# Altium PCB PCB1.PcbDoc (part 1 of 9) (continued)
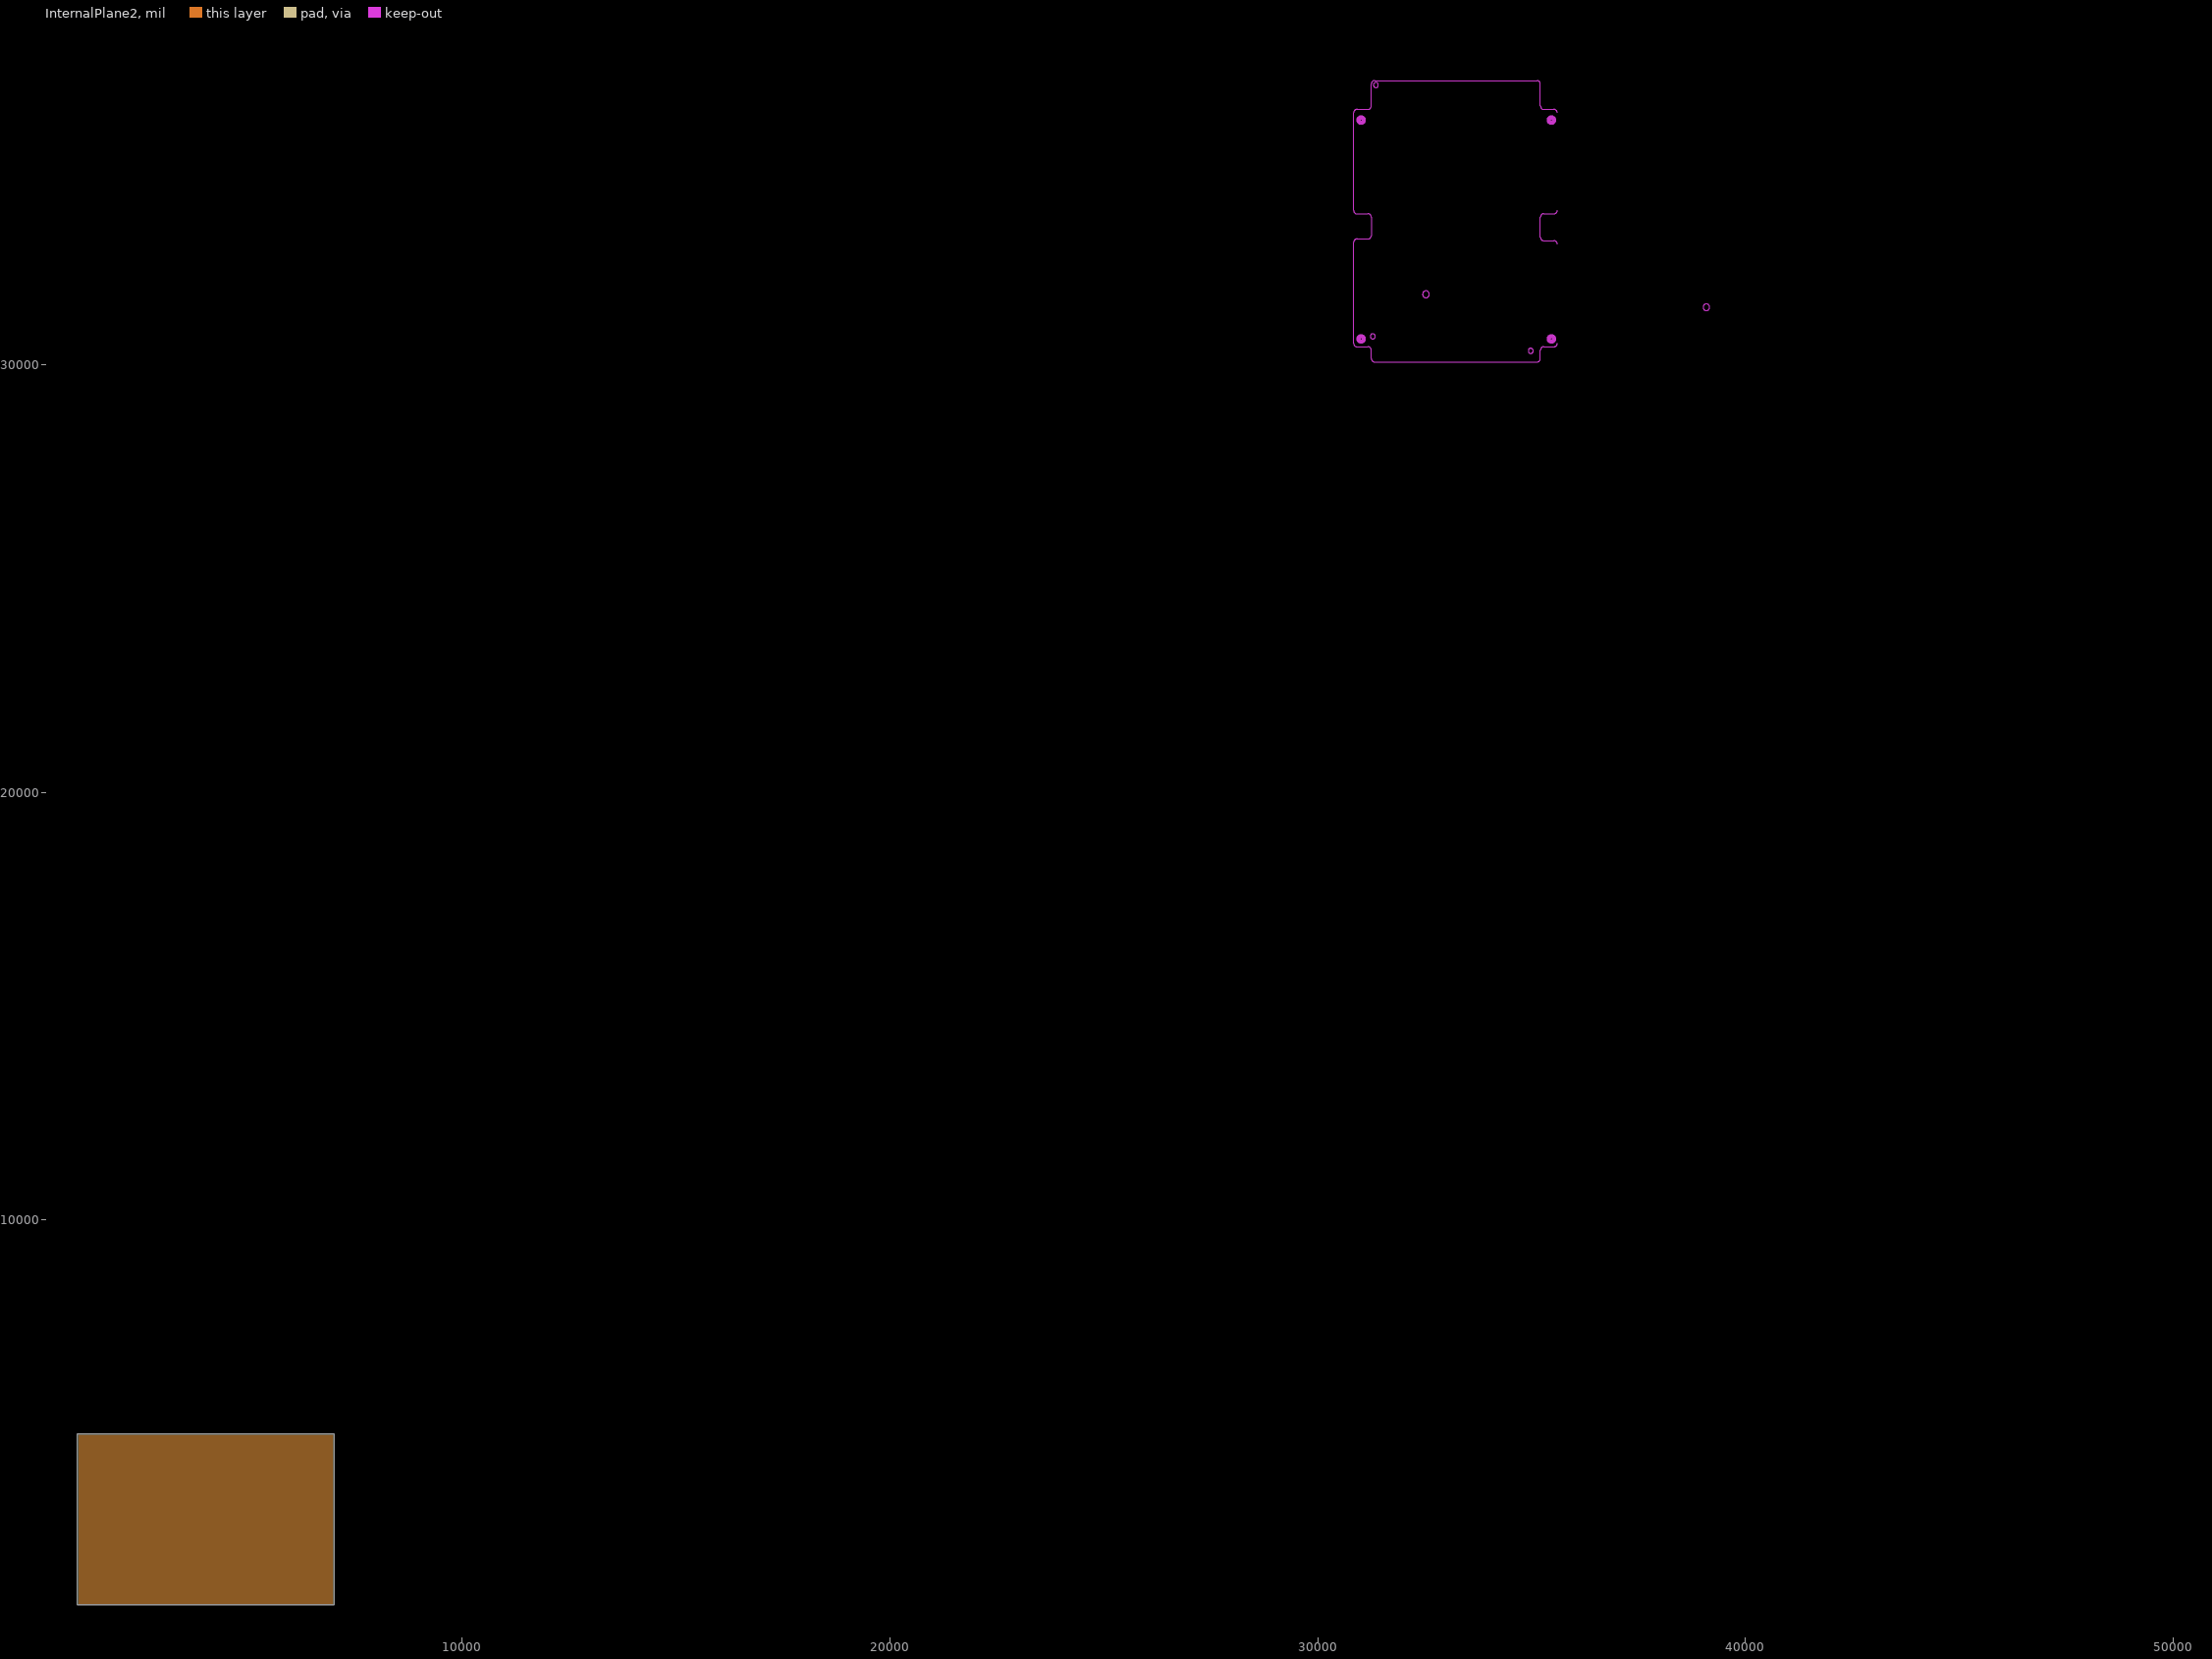
[diagram p4: InternalPlane2, clearances drawn from the general rule]
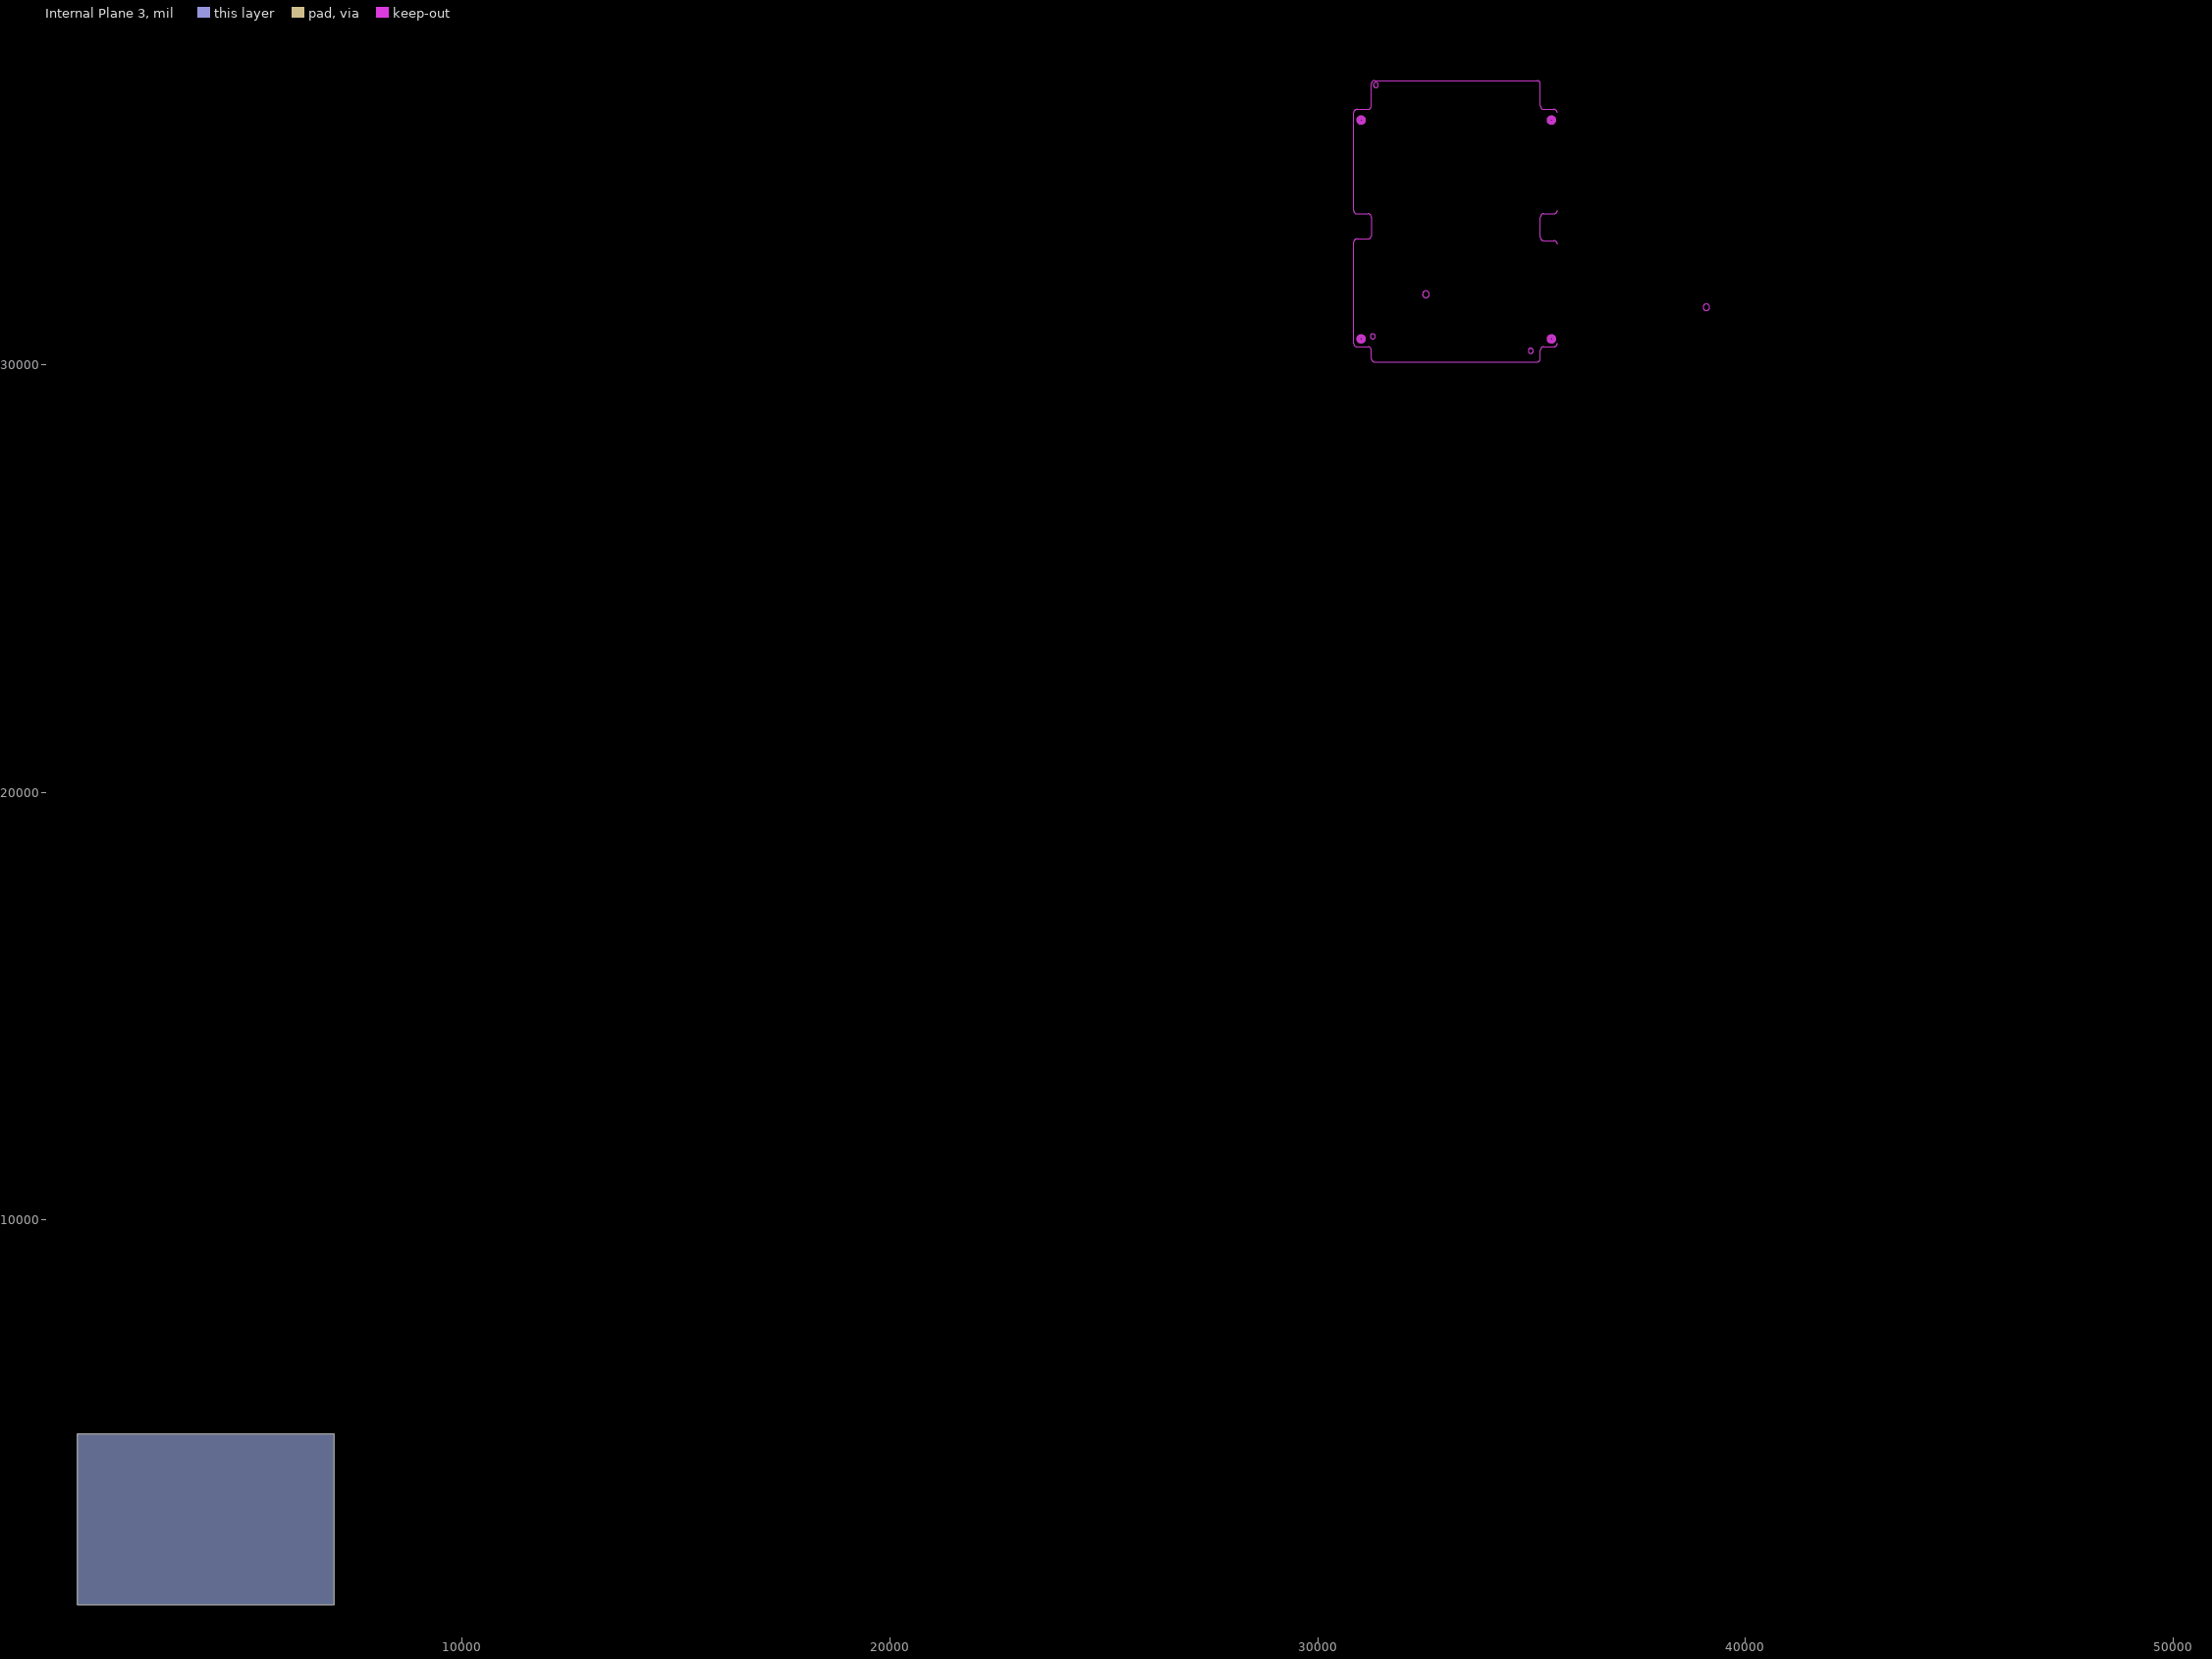
[diagram p5: Internal Plane 3, clearances drawn from the general rule]
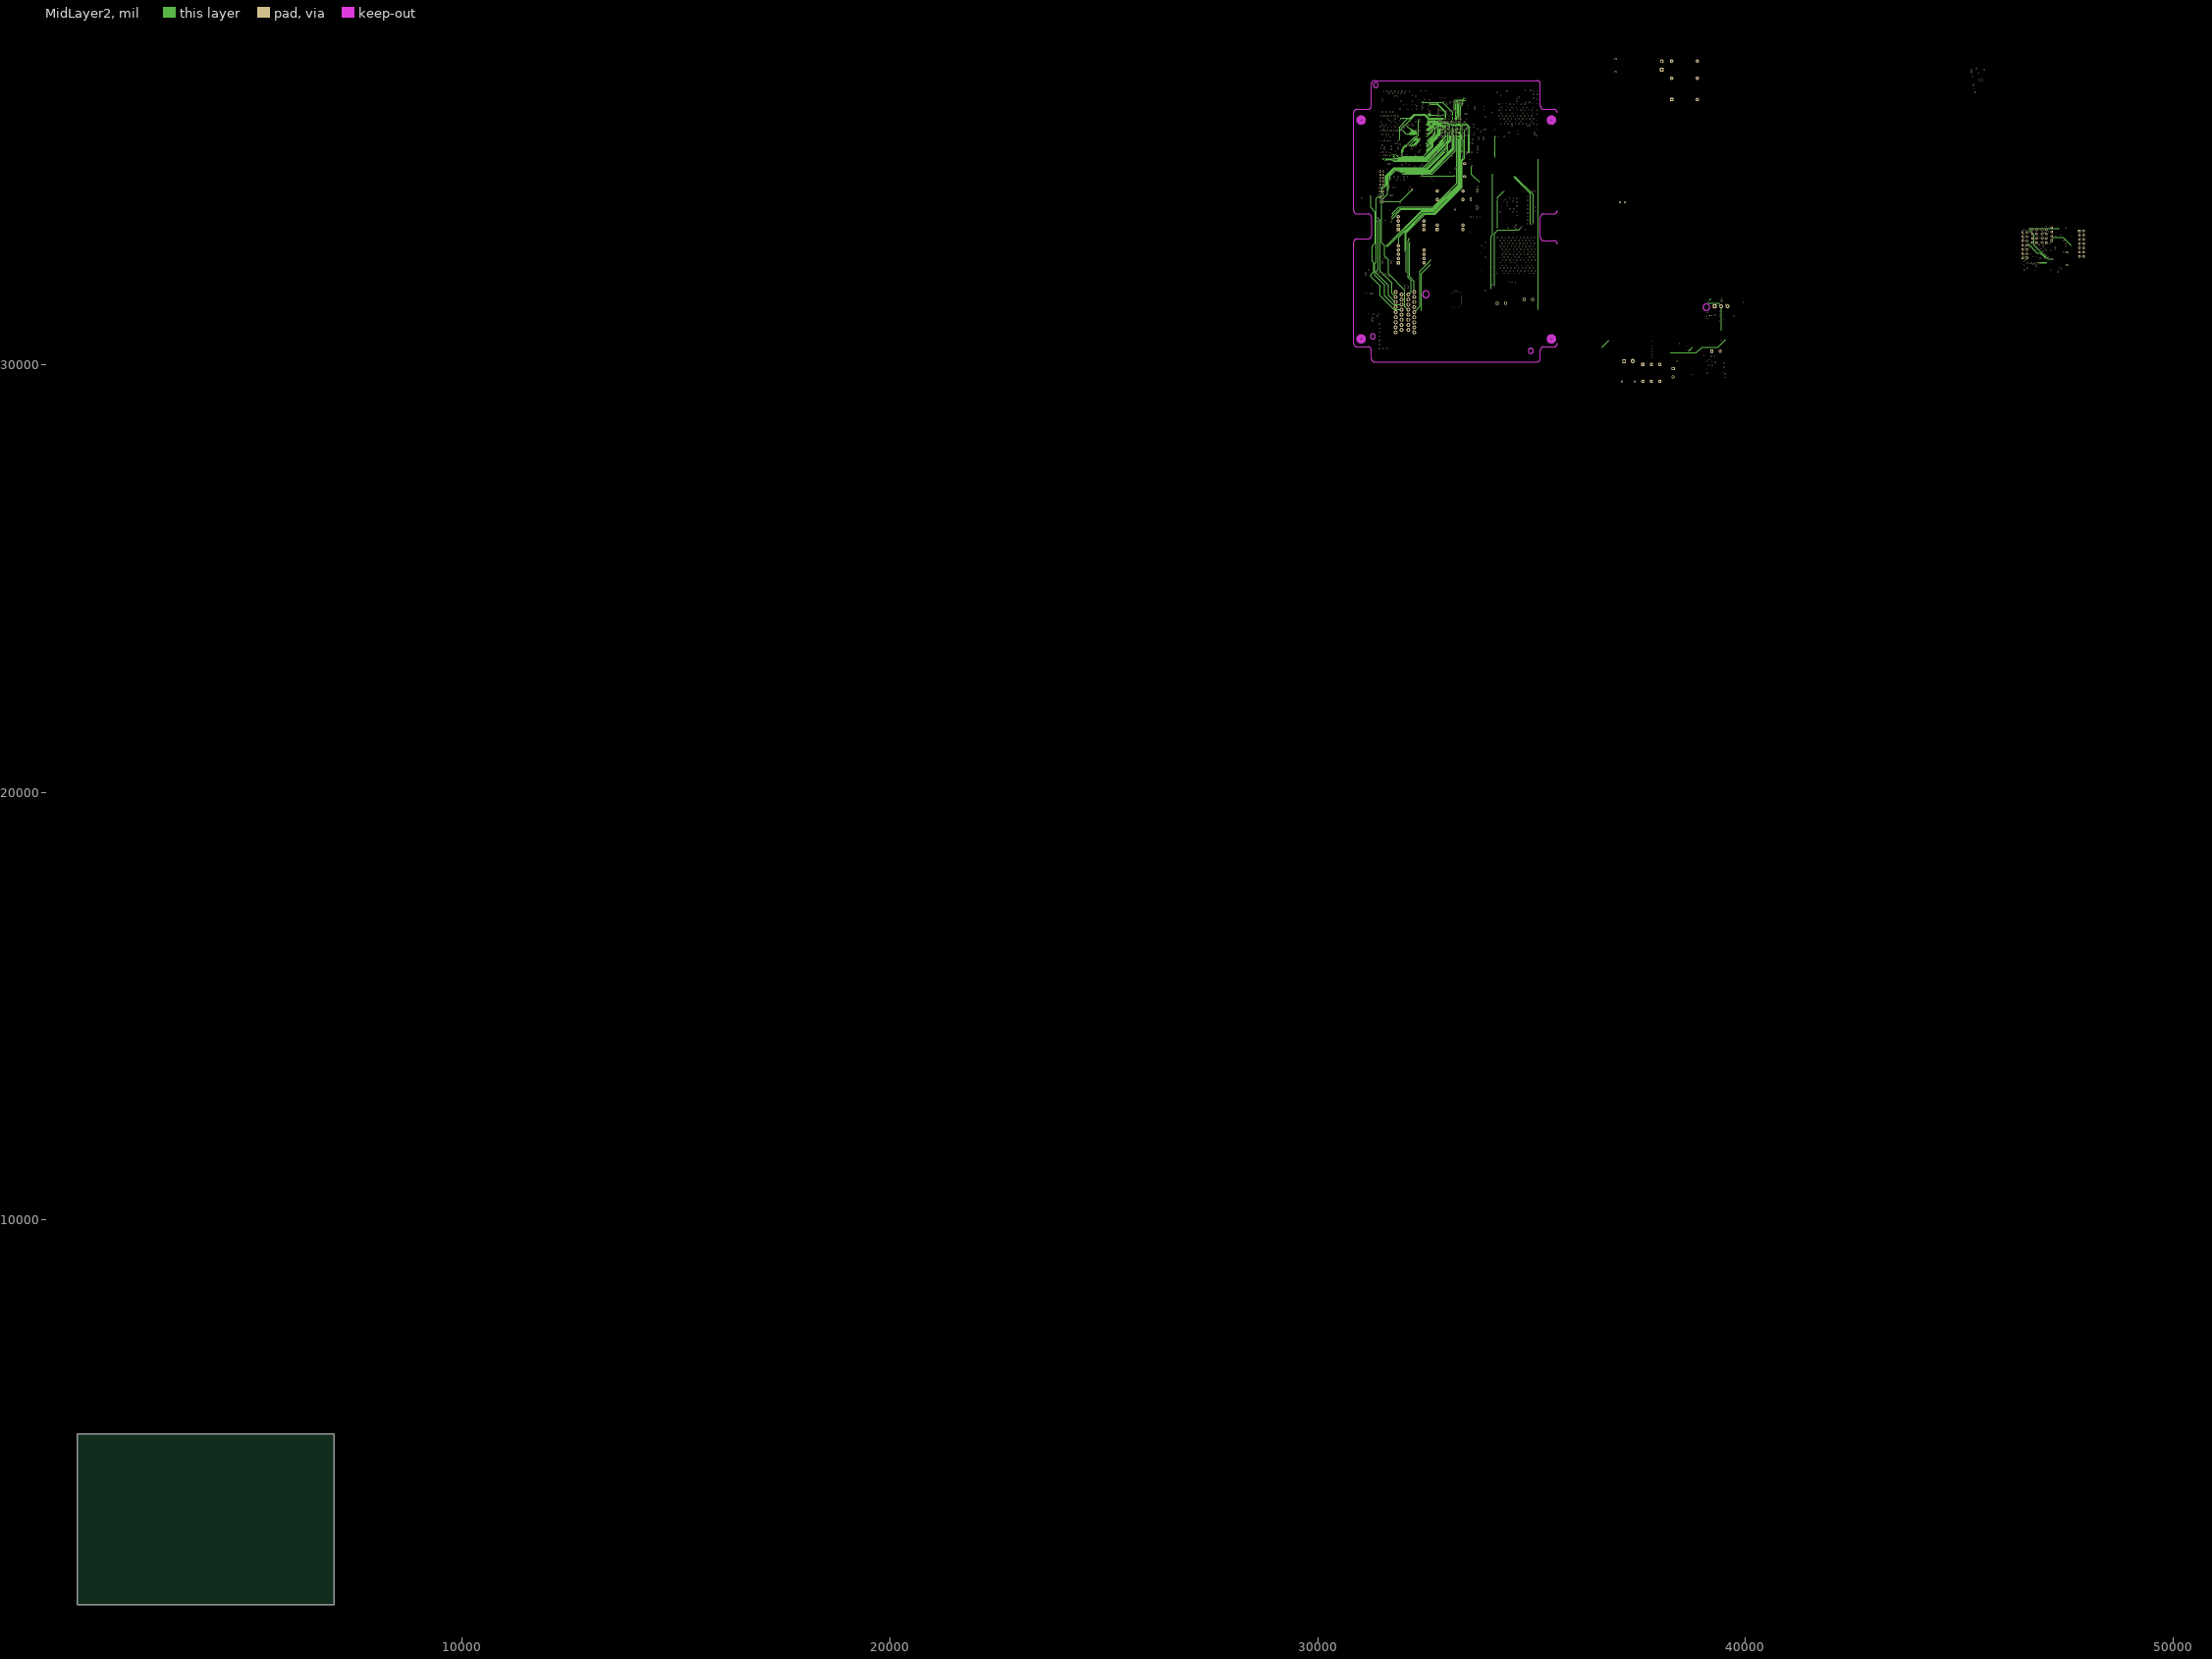
[diagram p6: MidLayer2]

## Layer stack, top to bottom
Top Layer: signal copper 1.4
Dielectric: core 12.6, FR-4, Dk 4.8
InternalPlane1: plane copper 1.4
Dielectric: prepreg 12.6, FR-4, Dk 4.8
MidLayer1: signal copper 1.4
Dielectric: core 12.6, FR-4, Dk 4.8
InternalPlane2: plane copper 1.4
Dielectric: prepreg 12.6, FR-4, Dk 4.8
Internal Plane 3: plane copper 1.4
Dielectric: dielectric 12.6, FR-4, Dk 4.8
MidLayer2: signal copper 1.4
Dielectric: core 12.6, FR-4, Dk 4.8
Bottom Layer: signal copper 1.4

## Board outline
1000,1000 7000,1000 7000,5000 1000,5000

## Design rules (kind name [scope] priority, off if disabled: settings)
Clearance [All] p1: gap=10
PlaneClearance [All] p1: clearance=20
PlaneConnect [All] p1: planeconnectstyle=Relief reliefexpansion=20 reliefentries=4 reliefconductorwidth=10 reliefairgap=10
PolygonConnect [All] p1: connectstyle=Relief reliefconductorwidth=10 reliefentries=4 polygonreliefangle="90 Angle" airgapwidth=10
RoomDefinition 电源ARM_VRD240512MP-8W [InComponentClass('电源ARM_VRD240512MP-8W')] p1: confinementstyle=ConfineIn formatcopy=TRUE lockcomponents=FALSE outline 35649.62,35962.44 39262.62,35962.44 39262.62,37338.44 35649.62,37338.44
RoomDefinition 电源ARM_LP5951_1.3 [InComponentClass('电源ARM_LP5951_1.3')] p2: confinementstyle=ConfineIn formatcopy=TRUE lockcomponents=FALSE outline 36681,34557 37599,34557 37599,35207 36681,35207
RoomDefinition 开盒检测_MAX931 [InComponentClass('开盒检测_MAX931')] p3: confinementstyle=ConfineIn formatcopy=TRUE lockcomponents=FALSE outline 36695.91,32905.31 38695.91,32905.31 38695.91,33905.31 36695.91,33905.31
RoomDefinition 上电唤醒_Max706 [InComponentClass('上电唤醒_Max706')] p4: confinementstyle=ConfineIn formatcopy=TRUE lockcomponents=FALSE outline 36543.91,31487.54 38543.91,31487.54 38543.91,32487.54 36543.91,32487.54
RoomDefinition 09-CAN [InComponentClass('09-CAN')] p5: confinementstyle=ConfineIn formatcopy=TRUE lockcomponents=FALSE outline 31599.69,34765.89 31599.69,32969.63 32722.72,32969.63 32722.72,34764.19 32721.01,34765.89
RoomDefinition 12-LCD背光驱动_BIT3251 [InComponentClass('12-LCD背光驱动_BIT3251')] p6: confinementstyle=ConfineIn formatcopy=TRUE lockcomponents=FALSE outline 39146,33436.85 42671,33436.85 42671,31782 39146,31782
RoomDefinition BQ24073_锂电池充电 [InComponentClass('BQ24073_锂电池充电')] p7: confinementstyle=ConfineIn formatcopy=TRUE lockcomponents=FALSE outline 39003.18,31570.23 39976.61,31570.23 39976.61,30790.75 39003.18,30790.75
RoomDefinition 01-MSP430 [InComponentClass('01-MSP430')] p8: confinementstyle=ConfineIn formatcopy=TRUE lockcomponents=FALSE outline 46423.46,32061.76 48065.37,32061.76 48065.37,33284.2 46423.46,33284.2
RoomDefinition 02-CPU2 [InComponentClass('02-CPU2')] p9: confinementstyle=ConfineIn formatcopy=TRUE lockcomponents=FALSE outline 33490.42,34297.82 34076.05,34297.82 34076.05,36113.76 33490.42,36113.76
RoomDefinition 02-GPRS [InComponentClass('02-GPRS')] p10: confinementstyle=ConfineIn formatcopy=TRUE lockcomponents=FALSE outline 33982.57,31245.96 35160.72,31245.96 35160.72,34265.89 33982.57,34265.89
RoomDefinition 03-GPS [InComponentClass('03-GPS')] p11: confinementstyle=ConfineIn formatcopy=TRUE lockcomponents=FALSE outline 33973.68,35300.77 35176.46,35300.77 35176.46,36457.11 33973.68,36457.11
RoomDefinition INTERFACE [InComponentClass('INTERFACE')] p12: confinementstyle=ConfineIn formatcopy=TRUE lockcomponents=FALSE outline 31336.62,30292.23 32756.62,30292.23 32756.62,32242.23 31336.62,32242.23
RoomDefinition "MAIN POWER" [InComponentClass('MAIN POWER')] p13: confinementstyle=ConfineIn formatcopy=TRUE lockcomponents=FALSE outline 36610.95,30621.95 39595.33,30621.95 39595.33,29530.45 36610.95,29530.45
RoomDefinition 10-RS485 [InComponentClass('10-RS485')] p14: confinementstyle=ConfineIn formatcopy=TRUE lockcomponents=FALSE outline 31516.03,32232.43 32680.4,32232.43 32680.4,32964.71 31516.03,32964.71
RoomDefinition 11-SPI [InComponentClass('11-SPI')] p15: confinementstyle=ConfineIn formatcopy=TRUE lockcomponents=FALSE outline 44830,34963 45774,34963 45774,37052.99 44830,37052.99
RoomDefinition 系统电路 [InComponentClass('系统电路')] p16: confinementstyle=ConfineIn formatcopy=TRUE lockcomponents=FALSE outline 36161.62,37222.7 36661.62,37222.7 36661.62,37462.7 36161.62,37462.7
RoomDefinition 01-CPU1 [InComponentClass('01-CPU1')] p17: confinementstyle=ConfineIn formatcopy=TRUE lockcomponents=FALSE outline 32603.63,34693.06 33665.62,34693.06 33665.62,36124.89 32603.63,36124.89
RoomDefinition "01-USB Device" [InComponentClass('01-USB Device')] p18: confinementstyle=ConfineIn formatcopy=TRUE lockcomponents=FALSE outline 30790.64,34144.83 30790.64,33154.67 32310.32,33154.67 32310.32,34144.83
RoomDefinition 03-MEM [InComponentClass('03-MEM')] p19: confinementstyle=ConfineIn formatcopy=TRUE lockcomponents=FALSE outline 31386.11,35936.17 31386.11,34745.22 32591.82,34745.22 32591.82,35936.17
RoomDefinition 03-指示灯 [InComponentClass('03-指示灯')] p20: confinementstyle=ConfineIn formatcopy=TRUE lockcomponents=FALSE outline 32307.37,36449.94 32307.37,36178.29 32643.98,36178.29 32643.98,36449.94
RoomDefinition 04-FLASH [InComponentClass('04-FLASH')] p21: confinementstyle=ConfineIn formatcopy=TRUE lockcomponents=FALSE outline 31422.53,36502.11 31422.53,35931.24 32681.39,35931.24 32681.39,36502.11
RoomDefinition 04-蜂鸣器 [InComponentClass('04-蜂鸣器')] p22: confinementstyle=ConfineIn formatcopy=TRUE lockcomponents=FALSE outline 33181.39,34305.26 33181.39,34976.52 33737.49,34976.52 33737.49,34305.26
RoomDefinition 05-RESET [InComponentClass('05-RESET')] p23: confinementstyle=ConfineIn formatcopy=TRUE lockcomponents=FALSE outline 32751.27,34491.28 32751.27,34937.15 33175.48,34937.15 33175.48,34491.28
RoomDefinition 05-RTC [InComponentClass('05-RTC')] p24: confinementstyle=ConfineIn formatcopy=TRUE lockcomponents=FALSE outline 33457.96,34333.8 33457.96,33468.65 33849.69,33468.65 33849.69,34333.8
RoomDefinition 06-JTAG [InComponentClass('06-JTAG')] p25: confinementstyle=ConfineIn formatcopy=TRUE lockcomponents=FALSE outline 31359.54,35211.76 31359.54,33611.36 33153.83,33611.36 33153.83,35211.76
RoomDefinition 06-Key [InComponentClass('06-Key')] p26: confinementstyle=ConfineIn formatcopy=TRUE lockcomponents=FALSE outline 30205.01,32384 30206.12,32382.83 30206.12,30817.07 31806.39,30817.07 31806.39,32384
RoomDefinition 07-LVDS [InComponentClass('07-LVDS')] p27: confinementstyle=ConfineIn formatcopy=TRUE lockcomponents=FALSE outline 32618.39,36459.79 32618.39,36143.84 32619.38,36144.83 33624.3,36144.83 33624.3,36457.82 33625.28,36458.8
RoomDefinition 08-IIC [InComponentClass('08-IIC')] p28: confinementstyle=ConfineIn formatcopy=TRUE lockcomponents=FALSE outline 33658.53,36100.31 33658.53,35424.13 33971.31,35424.13 33976.44,35429.83 33971.31,35435.54 33971.31,36100.31
RoutingVias [All] p1: holewidth=28 width=50 viastyle="Through Hole" minholewidth=28 minwidth=50 maxholewidth=28 maxwidth=50
SolderMaskExpansion [All] p1: expansion=4
Width [All] p1: maxlimit=10 minlimit=10 preferedwidth=10
26 further rules are at their usual default settings.

## Components (designator, comment, footprint, x,y, rotation, side; value= is the part's Value field where it differs from the comment)
B1 "RED" 0805LED 34075.09,32878.09 r90 top
B2 "GREEN" 0805LED 34075.09,32536.48 r90 top
B3 "RED" 0805LED 34075.09,32194.87 r90 top
B4 "GREEN" 0805LED 34081.98,36134 r90 top
B5 "RED" 0805LED 34083.92,35692.2 r270 top
B6 "GREEN" 0805LED 39043.54,31187.35 r90 top
B7 "RED" 0805LED 39199.05,31022.98 r0 top
B8 "GREEN" 0805LED 32353.6,36372.35 r270 top
B9 "GREEN" 0805LED 32581.98,36372.35 r270 top
B10 "GREEN" 0805LED 32461.9,36372.35 r270 top
B11 "BATTERY" BR2032-1GV 33727.65,33678.29 r90 top
BAT1 "18650/5000mAH/3.7V" BAT_3 39286.65,31372.39 r0 top
C1 "C1608X7R1H104K" 1608[0603]C 38313.7,30091.47 r0 top
C2 "C1608X7R1H104K" 1608[0603]C 38492.84,30260.76 r90 top
C3 "C1608X7R1H104K" 1608[0603]C 39363.9,30576.71 r0 top
C4 "C1608X7R1H104K" 1608[0603]C 37911.14,30284.39 r180 bottom
C5 "C1608X7R1H104K" 1608[0603]C 38078.47,30389.7 r90 bottom
C6 "C1608X7R1H104K" 1608[0603]C 41017.02,29896.7 r90 top
C7 "C1005X7R1H104K" 1005[0402]C 33079,35708.25 r270 top
C8 "C1005X7R1H104K" 1005[0402]C 33266.99,35287.98 r270 top
C9 "C1005X7R1H104K" 1005[0402]C 33294.55,35439.55 r0 top
C10 "C1005X7R1H104K" 1005[0402]C 33175.46,35285.02 r270 top
C11 "C1005X7R1H104K" 1005[0402]C 33142.97,35544.87 r90 top
C12 "C1005X7R1H104K" 1005[0402]C 32890.02,35283.06 r270 top
C13 "C1005X7R1H104K" 1005[0402]C 32826.62,35596.7 r180 top
C14 "C1005X7R1H104K" 1005[0402]C 32826.62,35721.83 r180 top
C15 "C1005X7R1H104K" 1005[0402]C 32906.75,35886.28 r90 top
C16 "C1005X7R1H104K" 1005[0402]C 32826.62,35470.83 r180 top
C17 "C1608C0G1H150J" 1608[0603]C 33589.83,35230.89 r0 top
C18 "C1005X7R1H104K" 1005[0402]C 33001.75,35886.28 r90 top
C19 "C1005X7R1H104K" 1005[0402]C 32826.62,35528.7 r180 top
C20 "C1005X7R1H104K" 1005[0402]C 32959.9,35566.52 r0 top
C21 "C1005X7R1H104K" 1005[0402]C 32826.62,35658.83 r180 top
C22 "C1005X7R1H104K" 1005[0402]C 32984.51,35283.06 r270 top
C23 "C1005X7R1H104K" 1005[0402]C 32827.03,35376.56 r180 top
C24 "C1005X7R1H104K" 1005[0402]C 33421.52,35550.77 r0 top
C25 "C1608C0G1H150J" 1608[0603]C 33185.3,35118.69 r270 bottom
C26 "C1608X7R1H222K" 1608[0603]C 33235.49,35119.67 r270 top
C27 "C1608X7R1H681K" 1608[0603]C 33303.41,35119.67 r270 top
C28 "C1608C0G1H150J" 1608[0603]C 33588.84,35321.44 r0 top
C29 "C1608C0G1H150J" 1608[0603]C 33089.83,35001.56 r0 bottom
C30 "C1005X7R1H104K" 1005[0402]C 33419.55,35471.05 r0 top
C31 "C1005X7R1H104K" 1005[0402]C 33419.55,35754.51 r0 top
C32 "C1005X7R1H104K" 1005[0402]C 33159.75,35886.28 r90 top
C33 "C1005X7R1H104K" 1005[0402]C 33053.41,35284.04 r270 top
C34 "C1005X7R1H104K" 1005[0402]C 33419.55,35645.26 r0 top
C35 "C1005X7R1H104K" 1005[0402]C 33419.55,35818.49 r0 top
C36 "C1005X7R1H104K" 1005[0402]C 33090.75,35886.28 r90 top
C37 "C1005X7R1H104K" 1005[0402]C 33220.75,35886.28 r90 top
C38 "C1005X7R1H104K" 1005[0402]C 32826.62,35796.28 r180 top
C39 "C1608X7R1H104K" 1608[0603]C 47128.36,33154.28 r90 top
C40 "C1608X7R1H104K" 1608[0603]C 46907.89,32953.49 r0 top
C41 "C1608X7R1H104K" 1608[0603]C 47291.75,32806.83 r270 bottom
C42 "C1608X7R1H104K" 1608[0603]C 46681.51,32799.94 r90 top
C43 "C1608X7R1H104K" 1608[0603]C 47289.78,32671.99 r90 bottom
C44 "C1608X7R1H104K" 1608[0603]C 46681.51,32649.35 r270 top
C45 "C1608X7R1H104K" 1608[0603]C 46919.7,32533.21 r0 top
C46 "C1608C0G1H150J" 1608[0603]C 46789.78,33177.9 r270 bottom
C47 "C1608C0G1H150J" 1608[0603]C 47038.8,33179.87 r90 bottom
C48 "C1608X7R1H104K" 1608[0603]C 33832.96,32718.65 r90 top
C49 "C1608X7R1H104K" 1608[0603]C 34315.24,31881.05 r0 top
C50 "C1608X7R1H104K" 1608[0603]C 34150.87,31881.05 r180 top
C51 "C1608X7R1H104K" 1608[0603]C 34418.59,33238.33 r90 top
C52 "C1608X7R1H104K" 1608[0603]C 34549.5,35402.7 r90 top
C53 "C1608X7R1H104K" 1608[0603]C 33832.96,32571.99 r90 top
C54 "C1608X7R1H104K" 1608[0603]C 39550.43,31084.99 r180 top
C55 "C1608X7R1H104K" 1608[0603]C 39739.4,31210.98 r270 top
C56 "C1608X7R1H104K" 1608[0603]C 32297.75,35758.28 r270 top
C57 "C1608X7R1H104K" 1608[0603]C 31600.75,35519.28 r180 top
C58 "C1608X7R1H104K" 1608[0603]C 31857.75,35518.78 r0 top
C59 "C1608X7R1H104K" 1608[0603]C 31958.75,35787.28 r0 top
C60 "C1608X7R1H104K" 1608[0603]C 31785.75,35787.28 r0 top
C61 "C1608X7R1H104K" 1608[0603]C 31603.75,35787.28 r0 top
C62 "C1608X7R1H104K" 1608[0603]C 31479.75,35753.28 r270 top
C63 "C1608X7R1H104K" 1608[0603]C 32293.75,35177.28 r270 top
C64 "C1608X7R1H104K" 1608[0603]C 31474.75,35172.28 r270 top
C65 "C1608X7R1H104K" 1608[0603]C 31666.75,34933.28 r0 top
C66 "C1608X7R1H104K" 1608[0603]C 31861.75,34933.28 r0 top
C67 "C1608X7R1H104K" 1608[0603]C 31947.75,35207.28 r0 top
C68 "C1608X7R1H104K" 1608[0603]C 31777.75,35207.28 r0 top
C69 "C1608X7R1H104K" 1608[0603]C 31603.75,35207.28 r0 top
C70 "C1608X7R1H104K" 1608[0603]C 31557.37,36194.04 r270 top
C71 "C1608X7R1H104K" 1608[0603]C 32175.48,36196.99 r270 top
C72 "C1608X7R1H104K" 1608[0603]C 32844.75,34836.21 r270 top
C73 "C1608X7R1H104K" 1608[0603]C 31715.81,33863.76 r90 top
C74 "C1608X7R1H104K" 1608[0603]C 31258.16,32224.55 r180 top
C75 "C1608X7R1H104K" 1608[0603]C 33925.23,35738.54 r90 top
C76 "C1608X7R1H104K" 1608[0603]C 31678.41,34414.95 r270 top
C77 "C1608X7R1H104K" 1608[0603]C 31912.66,34681.68 r0 top
C78 "C1608C0G1H150J" 1608[0603]C 32347.7,34160.02 r0 top
C79 "C1608C0G1H150J" 1608[0603]C 32339.83,34402.15 r0 top
C80 "C1608X7R1H104K" 1608[0603]C 31630.2,32491.28 r180 top
C81 "C1608X7R1H681K" 1608[0603]C 32506.19,31202.9 r0 bottom
C82 "C1608X7R1H681K" 1608[0603]C 32505.2,31139.91 r0 bottom
C83 "C1608X7R1H104K" 1608[0603]C 45359,36125 r270 top
C84 "C1608X7R1H104K" 1608[0603]C 45415,35639 r0 top
C88 "C1608X7R1H104K" 1608[0603]C 36729.59,33830.13 r90 top
C89 "C1608X7R1H104K" 1608[0603]C 36912.42,35131.82 r90 top
C90 "C1608X7R1H104K" 1608[0603]C 32881.62,30972.7 r0 top
C91 "C1608X7R1H104K" 1608[0603]C 33649.89,31523.76 r90 top
C92 "0.1uF" 1608[0603] 32874.27,34658.06 r0 top
C93 "0.1uF" 1608[0603] 32198.12,34002.11 r90 top
CM1 "1812HC102MAZ1A" 4532[1812]CA 40027.55,29790.51 r270 bottom
CM4 "GRM31CR71H475KA12L" 3216[1206]C 36593.34,32376.93 r90 top
CP1 "TAJA106K016RNJ" 3216[1206]CB 32670.53,35511.4 r90 top
CP2 "TAJA106K016RNJ" 3216[1206]CB 32723.68,35970.06 r180 top
CP3 "TAJA106K016RNJ" 3216[1206]CB 32725.75,35876.28 r180 top
CP4 "TAJA106K016RNJ" 3216[1206]CB 33593.76,35072.43 r270 top
CP5 "TAJA106K016RNJ" 3216[1206]CB 33569.18,35802.31 r270 top
CP6 "TAJA106K016RNJ" 3216[1206]CB 33471.74,35981.44 r90 top